# Altium PCB USB2.0拓展坞.PcbDoc
Units mil, origin at the board's own origin, x right, y up, seen from the top; angles counter-clockwise.
Board outline 2460 x 3425 mil, 2 copper layers (Top Layer, Bottom Layer); 37 components, 20 nets, 135 pads, 40 vias.
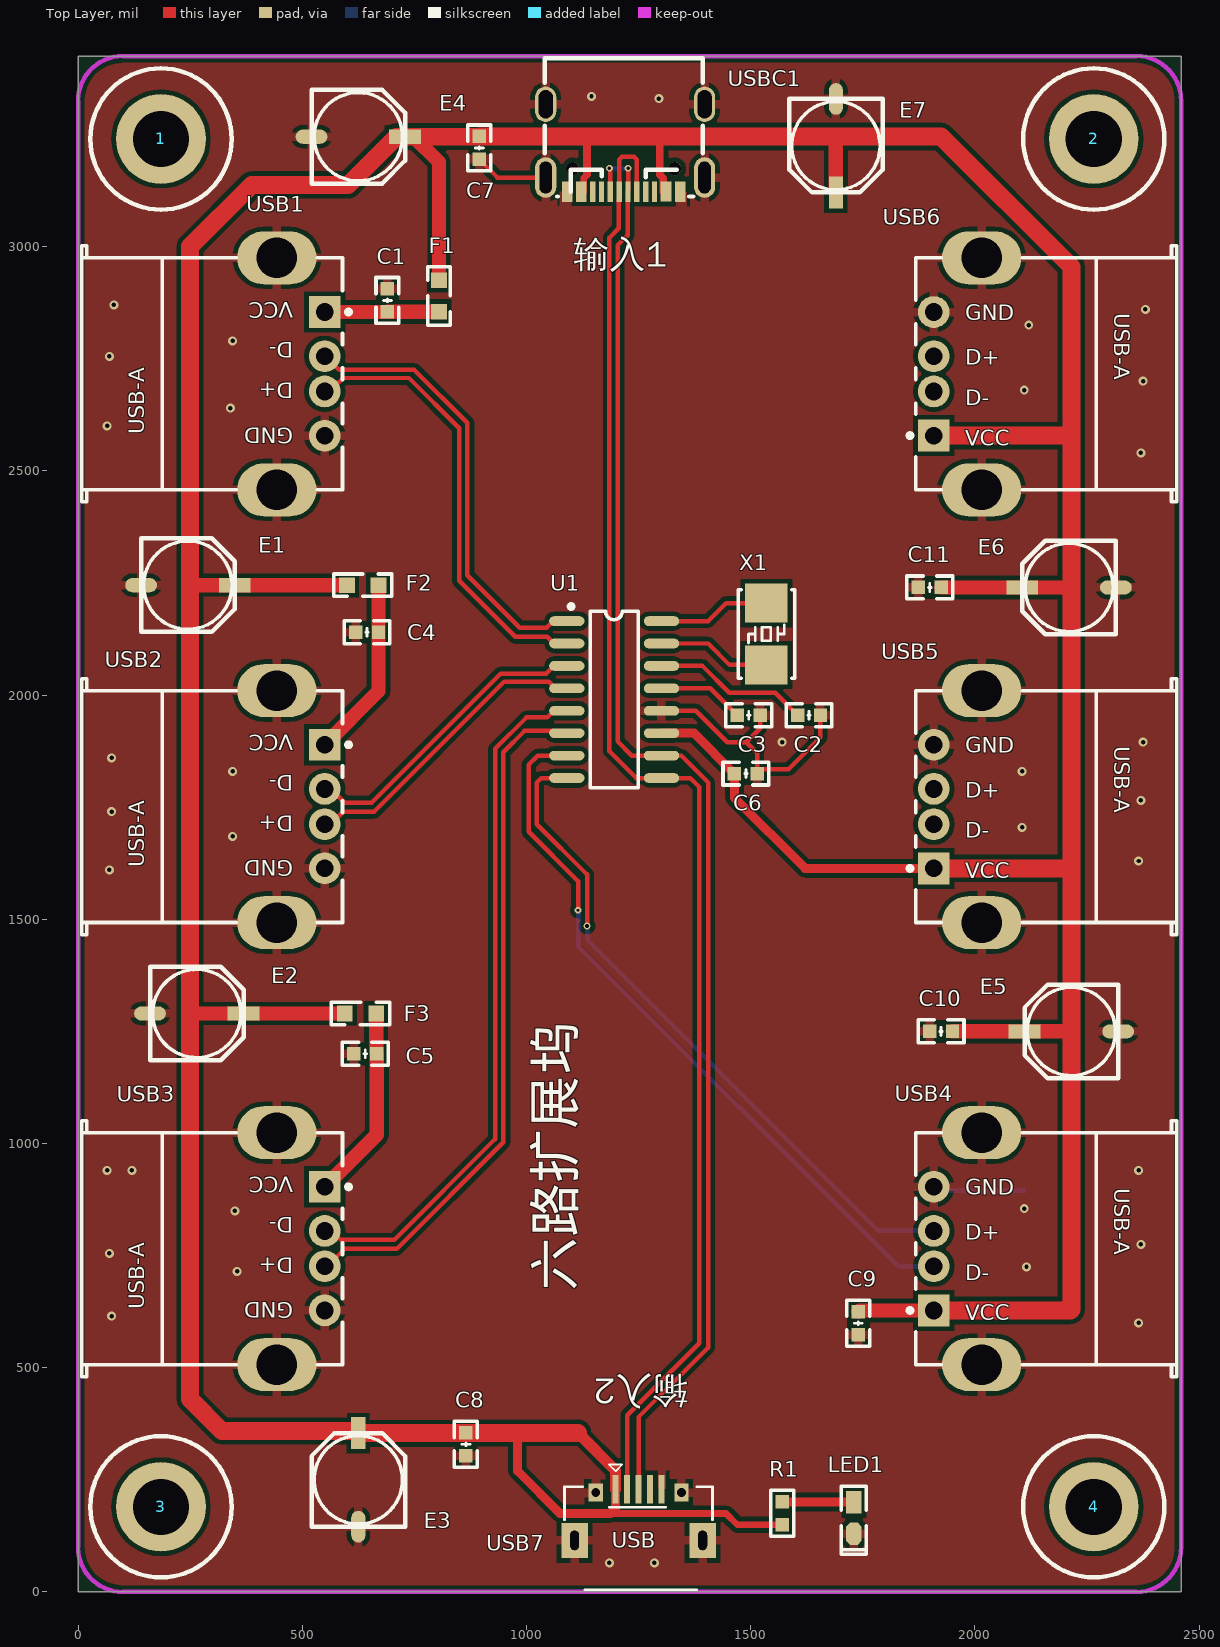
[diagram p0: Top Layer view]
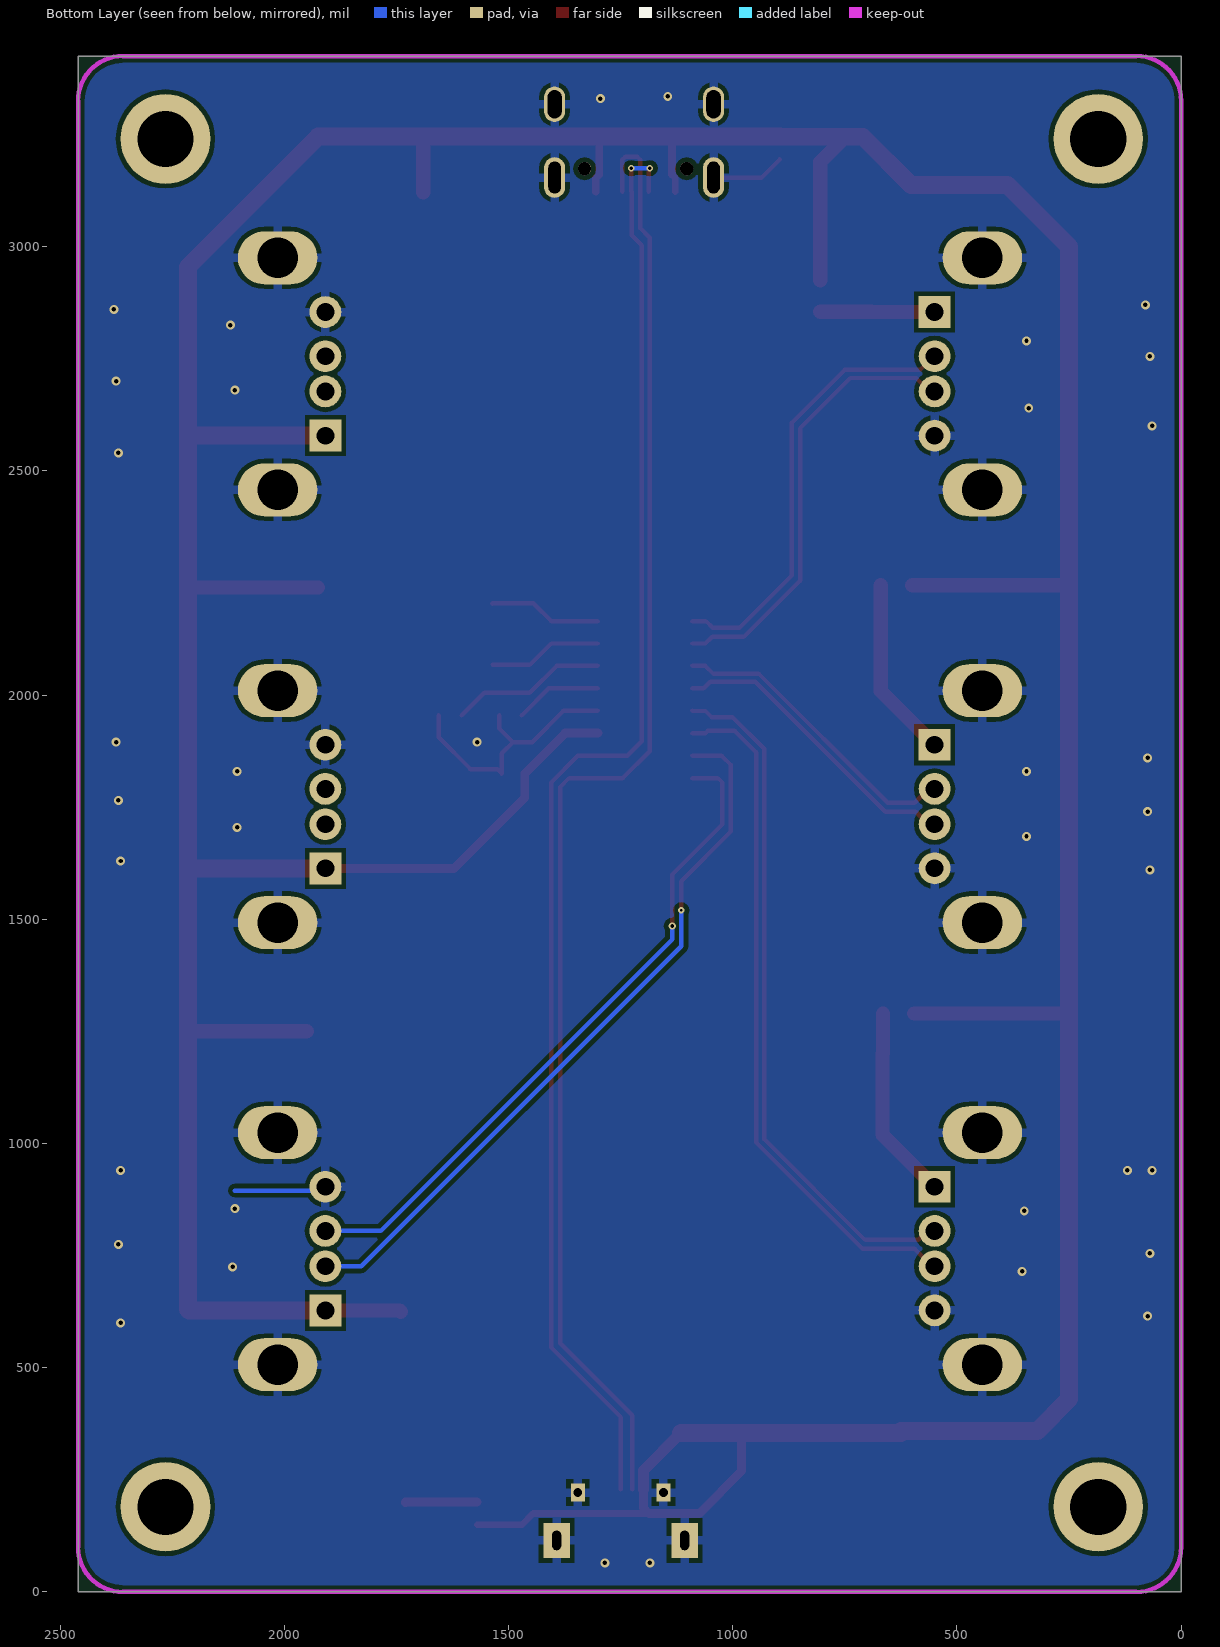
[diagram p1: Bottom Layer view, seen from below]
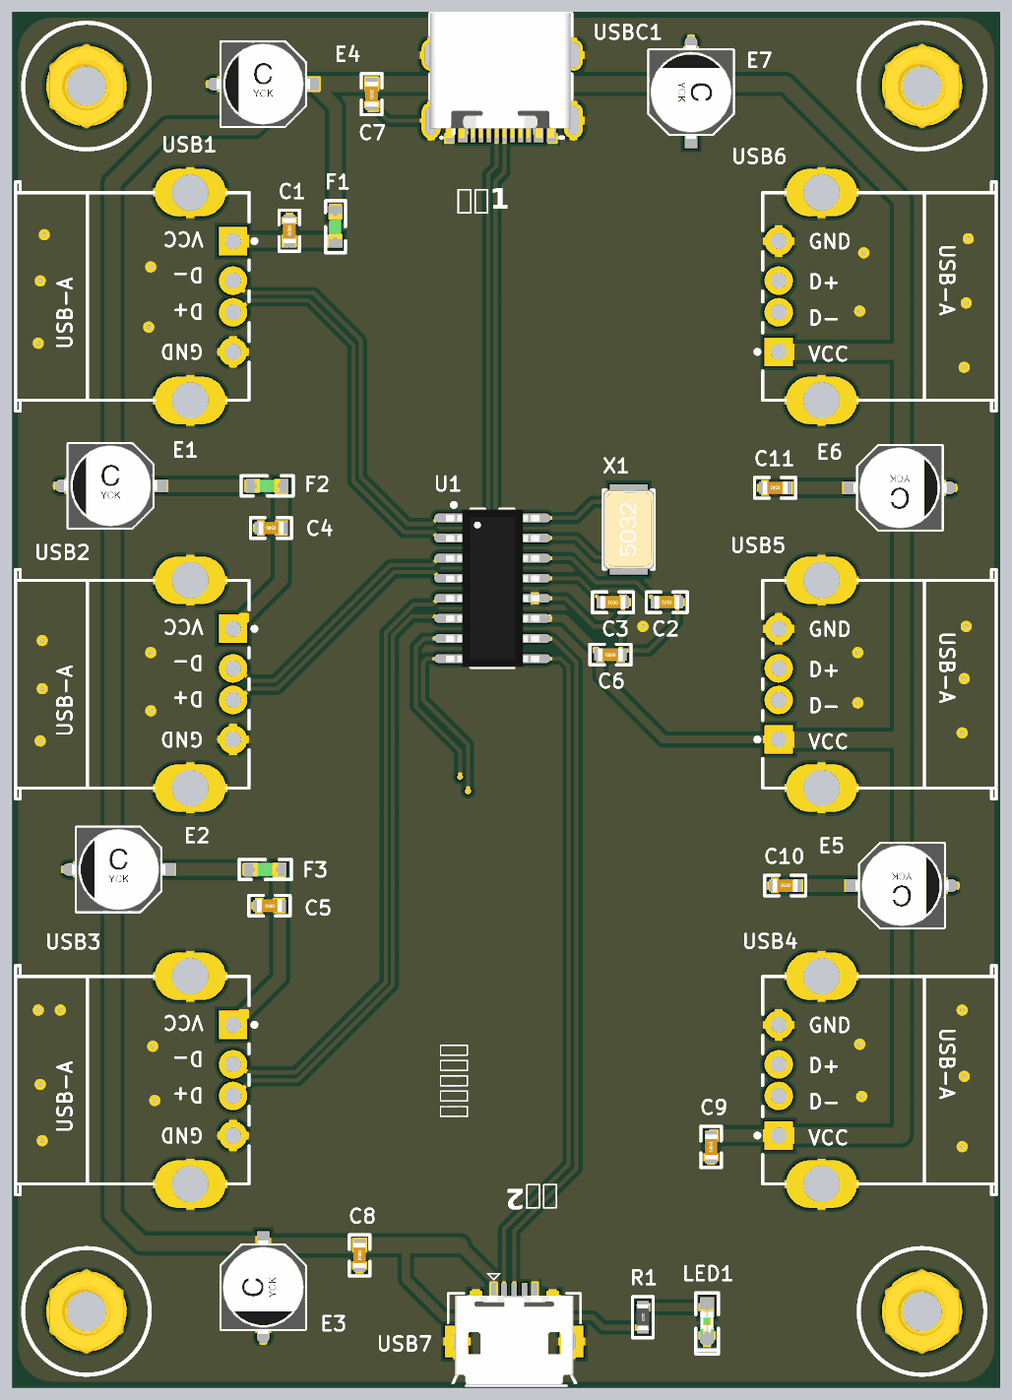
[diagram p2: 3D render of the assembled board from above, using the file's embedded part models]

## Layer stack, top to bottom
Top Solder: solder mask 0.4, Solder Resist, Dk 3.5
Top Layer: signal copper 1.4
Dielectric 1: dielectric 12.6, FR-4, Dk 4.8
Bottom Layer: signal copper 1.4
Bottom Solder: solder mask 0.4, Solder Resist, Dk 3.5

## Board outline
0,0 2460,0 2460,3425 0,3425

## Design rules (kind name [scope] priority, off if disabled: settings)
Clearance [All] p1: gap=10 ignorepadtopadclearanceinfootprint=TRUE except(0: Arc-Hole Track-Hole SMDPad-Hole THPad-Hole Via-Hole Fill-Hole Poly-Hole Region-Hole Text-Hole; 5: Arc-SMDPad Track-SMDPad; 7: Arc-Via Track-Via; 8: Arc-Arc Arc-Track Arc-THPad Track-Track Track-THPad)
PolygonConnect [All] p1: connectstyle=Relief reliefconductorwidth=20 reliefentries=4 polygonreliefangle="90 Angle" airgapwidth=10
RoutingVias [All] p1: holewidth=28 width=50 viastyle="Through Hole" minholewidth=28 minwidth=50 maxholewidth=28 maxwidth=50
SolderMaskExpansion [All] p1: expansion=4 istentingtop=FALSE
Width [All] p1: maxlimit=40 minlimit=10 preferedwidth=10 minimp=50.000000 maximp=50.000000 favimp=50.000000
30 further rules are at their usual default settings.

## Components (designator, comment, footprint, x,y, rotation, side; value= is the part's Value field where it differs from the comment)
1 "M3铜柱" M3x4_L 185,3240 r90 top
2 "M3铜柱" M3x4_L 2265,3240 r90 top
3 "M3铜柱" M3x4_L 185,190 r90 top
4 "M3铜柱" M3x4_L 2265,190 r90 top
C1 "104" "C 0603_L" 690,2880 r270 top
C2 "106" "C 0603_L" 1630,1955 r180 top
C3 "106" "C 0603_L" 1495.59,1955 r180 top
C4 "104" "C 0603_L" 644.41,2140 r0 top
C5 "104" "C 0603_L" 640.59,1200 r180 top
C6 "104" "C 0603_L" 1489.41,1825 r180 top
C7 "106" "C 0603_L" 895,3220 r270 top
C8 "106" "C 0603_L" 865,329.41 r270 top
C9 "104" "C 0603_L" 1740,599.41 r90 top
C10 "104" "C 0603_L" 1924.41,1250 r0 top
C11 "104" "C 0603_L" 1899.41,2240 r0 top
E1 "100uF/10V" "CM C(5*5.4)" 245,2245 r0 top
E2 "100uF/10V" "CM C(5*5.4)" 265,1290 r0 top
E3 "100uF/10V" "CM C(5*5.4)" 625,250 r90 top
E4 "100uF/10V" "CM C(5*5.4)" 625,3245 r0 top
E5 "100uF/10V" "CM C(5*5.4)" 2215,1250 r180 top
E6 "100uF/10V" "CM C(5*5.4)" 2210,2240 r180 top
E7 "100uF/10V" "CM C(5*5.4)" 1690,3225 r270 top
F1 "MSMD200-6V 0.5A" "FU 0603" 805,2890 r90 top
F2 "MSMD200-6V 0.5A" "FU 0603" 635,2245 r180 top
F3 "MSMD200-6V 0.5A" "FU 0603" 630,1290 r180 top
LED1 "红色" "LED 0603R" 1729.74,165 r270 top
R1 "1K" "R 0603_L" 1570,175.59 r270 top
U1 "SL2.1A" SOP16 1195,1990 r0 top
USB1 "USB" USB-A/S_A 550,2716.34 r180 top
USB2 "USB" USB-A/S_A 550,1751.34 r180 top
USB3 "USB" USB-A/S_A 550,765.63 r180 top
USB4 "USB" USB-A/S_A 1908.31,765.63 r0 top
USB5 "USB" USB-A/S_A 1908.31,1751.34 r0 top
USB6 "USB" USB-A/S_A 1908.31,2716.34 r0 top
USB7 "USB-5P" USB-MICRO_A 1250,115 r0 top
USBC1 "TYPE-C 2.0 -16P" USB-C-SMD_TYPE-C-USB-5 1220,3220 r180 top
X1 "12MHz" "OSC 5032-2P" 1535,2136.1 r90 top

## Footprints (in the part's own frame and the unit in brackets; to place one, negate y for a bottom-side part, rotate by r counter-clockwise, add the part's x,y. Pads: shape width x height; smd on the part's side, far side on the other; paste and mask are expansions set on the pad)
"C 0603_L" [mil] "无极性贴片电容                                       淘宝ID:黄晶宝石"
  rect 30x30 smd: 1(-25.59,0) 2(25.59,0)
  silkscreen extent -51,-26 51,26, body extent -31,-16 31,16, height 32
"CM C(5*5.4)" [mm] "贴片电解电容，直径5mm，高5.4mm            淘宝ID:黄晶宝石"
  rect 1.8x0.8 smd: 1(2.65,0)
  oval 1.8x0.8 smd: 2(-2.65,0)
  silkscreen extent -2.65,-2.65 2.65,2.65, body extent -2.95,-2.65 2.95,2.65, height 5.4
"FU 0603" [mil] "贴片保险丝"
  rect 35x35 smd: 1(-35,0) 2(35,0)
  silkscreen extent -65,-25 65,25, body extent -31,-16 31,16, height 20
"LED 0603R" [mil] "红色0603LED                                           淘宝ID:黄晶宝石"
  rect 50x35 smd: 1(-35,0.26)
  oct 50x35 smd: 2(35,0.26)
  silkscreen extent -71,-28 81,28, body extent -31,-16 31,16, height 18
M3x4_L [mil] "M3铜柱，长：4mm"
  round 200 hole 125: 1(0,0)
  silkscreen extent -157,-157 157,157, body extent -106,-93 106,93, height 159
"OSC 5032-2P" [mm] "5mm*3.2mm*0.8mm(长*宽*高)                  淘宝ID:黄晶宝石"
  rect 2.2x2.4 smd: 1(-1.75,0) 2(1.75,0)
  silkscreen extent -2.5,-1.6 2.5,1.6, body extent -2.5,-1.6 2.5,1.6, height 0.86
"R 0603_L" [mil] "1/10W贴片电阻                 淘宝ID:黄晶宝石"
  rect 30x30 smd: 1(-25.59,0) 2(25.59,0)
  silkscreen extent -51,-26 51,26, body extent -31,-16 32,16, height 16
SOP16 [mm] "封装库来自淘宝卖家 ID：黄晶宝石"
  oval 2x0.55 smd: 1(-2.667,4.445) 2(-2.667,3.175) 3(-2.667,1.905) 4(-2.667,0.635) 5(-2.667,-0.635) 6(-2.667,-1.905) 7(-2.667,-3.175) 8(-2.667,-4.445) 9(2.692,-4.445) 10(2.692,-3.175) 11(2.692,-1.905) 12(2.692,-0.635) 13(2.692,0.635) 14(2.692,1.905) 15(2.692,3.175) 16(2.692,4.445)
  silkscreen extent -2.55,-5 1.37,5.39, body extent -2.92,-4.99 2.98,4.99, height 1.45
USB-A/S_A [mm] "A型直插母头， 淘宝ID:黄晶宝石   店铺网址:https://shop463601444.taobao.com"
  rect 1.8x1.8 hole 1: 1(0,-3.5)
  round 1.8 hole 1: 2(0,-1) 3(0,1) 4(0,3.5)
  oval 4.5x3 hole 2.3: 4(2.71,6.57) 4(2.71,-6.57)
  silkscreen extent -1.48,-7.25 13.75,7.25, body extent -0.6,-7.34 13.7,7.34, height 6.8
USB-C-SMD_TYPE-C-USB-5 [mm]
  oval 1.2x2 hole 0.8 slot 1.6 at 90 deg: 0(-4.5,-2.475) 0(4.5,-2.475)
  oval 1.2x2.3 hole 0.7 slot 1.8 at 90 deg: 0(-4.5,1.675) 0(4.5,1.675)
  rect 0.3x1.15 smd: A1(-3.263,2.473) A4(-2.462,2.471) A5(-1.162,2.475) A6(-0.162,2.475) A7(0.337,2.473) A9(2.638,2.475) A12(3.438,2.475) B1(3.138,2.475) B4(2.337,2.475) B5(1.838,2.475) B6(0.838,2.475) B7(-0.663,2.473) B9(-2.162,2.471) B12(-2.963,2.473)
  rect 0.3x1.148 smd: A8(-1.663,2.475) B8(1.337,2.475)
  round 0.75 hole 0.75 unplated: ""(-2.803,1.175) ""(2.978,1.175)
  silkscreen extent -4.38,-5.08 4.56,2.75, body extent -4.34,-5.14 4.6,2.76, height 3.25
USB-MICRO_A [mm] "micro型USB ，5.7*7.8*2.5mm"
  rect 0.35x1.6 smd: 1(-1.3,2.9) 2(-0.65,2.9) 3(0,2.9) 4(0.65,2.9) 5(1.3,2.9)
  rect 1.5x2 hole 0.5 slot 1.1 at 90 deg: 5(-3.625,0) 5(3.625,0)
  rect 0.8x1 hole 0.5: 5(-2.425,2.71) 5(2.425,2.71)
  silkscreen extent -4.19,-2.79 4.19,4.3, body extent -4,-2.71 4,2.89, height 2.8

## Part data
1 2 3 4: library part 铜柱小焊盘, "铜柱", BOM名称=铜柱, 封装库来自淘宝卖家 ID：黄晶宝石=其他店铺购入均为盗版，不享受售后技术支持服务，请立即申请退款, 技术支持，联系售后=https://shop463601444.taobao.com, 版权归属="封装库来自淘宝 ID：黄晶宝石"
C1 C2 C3 C4 C5 C6 C7 C8 C9 C10 C11: library part C, "贴片电容", BOM名称=无极性贴片电容, 唯一出售店铺网址=https://shop463601444.taobao.com, 淘宝ID="封装库来自淘宝 ID：黄晶宝石", 联系售后，技术支持=https://shop463601444.taobao.com
E1 E2 E3 E4 E5 E6 E7: library part CE_SMD, "贴片电解电容", BOM名称=贴片电解电容, 版权归属="封装库来自淘宝 ID：黄晶宝石", 联系售后=https://shop463601444.taobao.com
F1 F2 F3: library part FU, "贴片保险丝", BOM名称=贴片保险丝, 学习资源=https://shop463601444.taobao.com, 版权归属="封装库来自淘宝卖家 ID：黄晶宝石"
LED1: library part LED-SMD, "贴片LED", BOM名称=贴片LED, 学习资源=https://shop463601444.taobao.com, 版权归属="封装库来自淘宝 ID：黄晶宝石"
R1: library part R, "贴片电阻", BOM名称=贴片电阻, 封装库来自淘宝卖家 ID：黄晶宝石=其他店铺购入均为盗版，不享受售后技术支持服务，请立即申请退款, 版权归属="来自淘宝 ID：黄晶宝石", 联系售后=https://shop463601444.taobao.com
USB1 USB2 USB3 USB4 USB5 USB6: library part USB-A/S, "USB-A型母接口", BOM名称=USB-A型母接口, 学习资源=https://shop463601444.taobao.com, 版权归属="封装库来自淘宝 ID：黄晶宝石"
USB7: "微型USB母座", BOM名称=微型USB母座, 学习资源=https://shop463601444.taobao.com
USBC1: library part "USB2.0 Type-C 16Pin母座", "USB2.0 Type-C 母座 16Pin", BOM_Manufacturer=LCSC, BOM_Manufacturer Part=-, BOM_Supplier=LCSC, spicePre=U, spiceSymbolName="TYPE-C 3.1 -16P_C168689"
X1: library part XTAL-2P, "2脚无源脚晶振", BOM名称=2脚无源脚晶振, 学习资源=https://shop463601444.taobao.com, 版权归属="封装库来自淘宝卖家 ID：黄晶宝石"

## Via types
v1: diameter 20, hole 10, Top Layer to Bottom Layer, 36 vias
v2: diameter 15, hole 8, Top Layer to Bottom Layer, 2 vias
v3: diameter 16, hole 8, Top Layer to Bottom Layer, 1 vias
v4: diameter 15, hole 6, Top Layer to Bottom Layer, 1 vias

## Nets (pads, with @x,y where several pads share a name; then routed paths per layer and width w, separated by ;. In a path a pad name is that pad's centre, name@x,y a point inside that pad or via, vN(x,y) a via of type N, cw(c..) or ccw(c..) an arc to the next point about the centre after c; other vN are vias at no path point)
DM: U1.9 USB7.2 USBC1.A7 USBC1.B7 | length 3309.2
  Top Layer w10: USB7.2 1224.41,394.41 1385,555 1385,1795 1365,1815 1245,1815 1185,1875 1185,3020 1205.81,3040.81 1205.81,3104.99 1206.72,3105.89 1206.72,3194.14 1212.57,3200 1240,3200 1246.09,3193.91 USBC1.B7
DM1: U1.7 USB4.2 | length 1632.8
  Top Layer w10: U1.7 1025,1865 1005,1845 1005,1695 1115,1585 v4(1115,1520)
  Bottom Layer w10: v4(1115,1520) 1115,1440 1828.74,726.26 USB4.2
DM2: U1.5 USB3.2 | length 1546.7
  Top Layer w10: USB3.2 566.29,805 586.29,785 705,785 930,1010 930,1880 1000,1950 1046.46,1950 1060.92,1964.46 1089.46,1964.46 U1.5
DM3: U1.3 USB2.2 | length 679.1
  Top Layer w10: USB2.2 563.76,1790.71 594.47,1760 654.54,1760 942.54,2048 1044.01,2048 1061.01,2065 U1.3
DM4: U1.1 USB1.2 | length 996.3
  Top Layer w10: USB1.2 551.62,2755.71 582.33,2725 750,2725 868,2607 868,2267 985,2150 1044.77,2150 1059.77,2165 U1.1
DP: U1.10 USB7.3 USBC1.A6 USBC1.B6 | length 3263.5
  Top Layer w10: v2(1185,3175) 1185,3173.65 1187.02,3171.62 USBC1.B6 ; v2(1226.59,3175) 1226.49,3174.9 1226.49,3124.47 1225.49,3123.47 USBC1.A6 1225.49,3121.65 1225.49,3025.49 1203,3003 1203,1897 1235,1865 U1.10 1301.53,1864.47 1345.53,1864.47 1405,1805 1405,545 1250,390 USB7.3
  Bottom Layer w10: v2(1185,3175) v2(1226.59,3175)
DP1: U1.8 USB4.3 | length 1510.1
  Top Layer w10: U1.8 1033,1815 1023,1805 1023,1712 1135,1600 v3(1135,1485)
  Bottom Layer w10: v3(1135,1485) 1135,1455 1785,805 USB4.3
DP2: U1.6 USB3.3 | length 1546.2
  Top Layer w10: USB3.3 555.56,726.26 594.3,765 710.46,765 948,1002.54 948,1872.54 995.46,1920 1056.01,1920 1061.01,1915 U1.6
DP3: U1.4 USB2.3 | length 678
  Top Layer w10: USB2.3 563.76,1711.97 591.8,1740 660,1740 950,2030 1049.77,2030 1055.63,2024.14 1055.63,2023.98 1064.61,2015 U1.4
DP4: U1.2 USB1.3 | length 996.8
  Top Layer w10: USB1.3 561.26,2676.97 591.29,2707 738,2707 850,2595 850,2255 975,2130 1046.01,2130 1061.01,2115 U1.2
GND: C1.1 C2.1 C3.1 C4.1 C5.2 C6.1 C7.2 C8.2 C9.1 C10.1 C11.1 E1.2 E2.2 E3.2 E4.2 E5.2 E6.2 E7.2 LED1.2 U1.12 USB1.4 USB2.4 USB3.4 USB4.4 USB5.4 USB6.4 USB7.5 USBC1.0 USBC1.A1 USBC1.A12 USBC1.B1 USBC1.B12 | length 964.4
  Top Layer w10: C7.2 935.35,3154.06 USBC1.0@1042.83,3154.06 ; U1.12 1377.46,1965 1447.46,1895 1490,1895 ; C3.1 1521.18,1926.18 1490,1895 ; C2.1 1655.59,1905.59 1585,1835 1525,1835 C6.1 1515,1870 1490,1895
  Bottom Layer w10: USB4.4@1908.31,903.43 1916.73,895 2110,895
  other v1: 1185,65 1285,65 2365,600 75,615 355,715 2115,725 70,755 2370,775 350,850 2110,855 65,940 120,940 2365,940 70,1610 2365,1630 345,1685 2105,1705 75,1740 2370,1765 345,1830 2105,1830 75,1860 1570,1895 2375,1895 2370,2540 65,2600 340,2640 2110,2680 2375,2700 70,2755 345,2790 2120,2825 2380,2860 80,2870 1295,3330 1145,3335
NetC1_2: C1.2 F1.1 USB1.1 | length 255.6
  Top Layer w25: USB1.1 USB1.1@550.14,2854.27
  Top Layer w32: USB1.1 689.72,2854.13 C1.2 804.41,2854.41 F1.1
NetC4_2: C4.2 F2.1 USB2.1 | length 405.6
  Top Layer w32: USB2.1 670,2009.13 C4.2 F2.1
NetC5_1: C5.1 F3.1 USB3.1 | length 435.2
  Top Layer w32: USB3.1 666.18,1019.61 C5.1 665,1201.18 F3.1
NetLED1_1: LED1.1 R1.1 | length 160.5
  Top Layer w20: R1.1 1570.59,200.59 1729.41,200.59 LED1.1
VDD5: C6.2 C7.1 C8.1 C9.2 C10.2 C11.2 E1.1 E2.1 E3.1 E4.1 E5.1 E6.1 E7.1 F1.2 F2.2 F3.2 R1.2 U1.11 USB4.1 USB5.1 USB6.1 USB7.1 USBC1.A4 USBC1.A9 USBC1.B4 USBC1.B9 | length 12739.2
  Top Layer w15: USBC1.B4 1127.97,3153.31 1135.04,3160.38 ; 1187.1,175 1445,175 1470,150 R1.2
  Top Layer w17: 1297.57,3243.16 1297.57,3160.17 1305.14,3152.6 USBC1.B9
  Top Layer w18: 1135.04,3160.38 1135.04,3240.63
  Top Layer w20: 980,355 980,270 1075,175 1187.1,175 1198.82,186.72 USB7.1 ; U1.11 1373.82,1915 C6.2 1463.82,1771.18 1621.46,1613.54 USB5.1
  Top Layer w25: 1115,355 1198.82,271.18 USB7.1
  Top Layer w32: 250,1290 E2.1 F3.2 ; 250,2245 E1.1 F2.2 ; E4.1@748.51,3245 805,3188.51 F1.2 ; C8.1@864.33,354.33 C8.1 ; C7.1@894.4,3245 C7.1 ; E7.1 1690,3245.59 ; C9.2 1742.83,627.83 USB4.1 ; C11.2 E6.1 2215,2240 ; C10.2 E5.1 2215,1250
  Top Layer w40: E3.1 C8.1@864.33,354.33 ; E3.1@625,359.33 320.67,359.33 250,430 250,1290 250,2245 250,3000 387.37,3137.37 602.52,3137.37 710.15,3245 E4.1 748.51,3245 C7.1@894.4,3245 ; C8.1 980,355 1115,355 ; C7.1 1690,3245.59 1924.41,3245.59 2215,2955 2215,2580 ; USB4.1 2212.83,627.83 2215,630 2215,1250 2215,1615 ; USB5.1 2213.54,1613.54 2215,1615 ; USB6.1 2213.54,2578.54 2215,2580 ; 2215,1615 2215,2240 2215,2580
VDD18: C2.2 U1.14 | length 349
  Top Layer w10: U1.14 1392.46,2065 1452.46,2005 1554.42,2005 C2.2
VDD33: C3.2 U1.13 | length 193.9
  Top Layer w10: U1.13 1410,2015 C3.2
XIN: U1.16 X1.2 | length 252.1
  Top Layer w10: U1.16 1405,2165 1445,2205 X1.2 X1.2@1536.1,2203.9
XOUT: U1.15 X1.1 | length 253.8
  Top Layer w10: U1.15 1405,2115 1452.8,2067.2 X1.1
pads on no net: 1.1 2.1 3.1 4.1 USB5.2 USB5.3 USB6.2 USB6.3 USB7.4 USBC1. USBC1.A5 USBC1.A8 USBC1.B5 USBC1.B8

## Polygon pours and split planes (outlines as drawn)
GND on Bottom Layer "GND_L02_P001" (solid, pour order 1): 0,3425 0,0 2460,0 2460,3425
GND on Top Layer "GND_L01_P002" (solid, pour order 2): -5,3425 0,3420 0,0 2460,0 2460,3425

## Keep-outs
Keep-Out Layer:
  lines w10: 0,100 ccw(c100,100) 100,0 2360,0 ccw(c2360,100) 2460,100 2460,3325 ccw(c2360,3325) 2360,3425 100,3425 ccw(c100,3325) 0,3325 0,100

## Silkscreen, mask and mechanical layers (free items; w line width, h text height)
Top Overlay:
  text "输入1" at 1105,2934.99 h100
  text "六路扩展坞" at 1134.73,670.14 h150 r90
  text "输入2" at 1360,495.01 h100 r180

## Text inside footprints (layer, text, board x,y; h text height)
USB1: Top Overlay "USB-A" at 148.03,2581.3 h35 r90; Top Overlay "VCC" at 480,2876.34 h35 r180; Top Overlay "D-" at 480,2786.34 h35 r180; Top Overlay "D+" at 480,2696.34 h35 r180; Top Overlay "GND" at 480,2596.34 h35 r180
USB2: Top Overlay "USB-A" at 148.03,1616.3 h35 r90; Top Overlay "VCC" at 480,1911.34 h35 r180; Top Overlay "D-" at 480,1821.34 h35 r180; Top Overlay "D+" at 480,1731.34 h35 r180; Top Overlay "GND" at 480,1631.34 h35 r180
USB3: Top Overlay "USB-A" at 148.03,630.59 h35 r90; Top Overlay "VCC" at 480,925.63 h35 r180; Top Overlay "D-" at 480,835.63 h35 r180; Top Overlay "D+" at 480,745.63 h35 r180; Top Overlay "GND" at 480,645.63 h35 r180
USB4: Top Overlay "USB-A" at 2310.28,900.67 h35 r270; Top Overlay "VCC" at 1978.31,605.63 h35; Top Overlay "D-" at 1978.31,695.63 h35; Top Overlay "D+" at 1978.31,785.63 h35; Top Overlay "GND" at 1978.31,885.63 h35
USB5: Top Overlay "USB-A" at 2310.28,1886.38 h35 r270; Top Overlay "VCC" at 1978.31,1591.34 h35; Top Overlay "D-" at 1978.31,1681.34 h35; Top Overlay "D+" at 1978.31,1771.34 h35; Top Overlay "GND" at 1978.31,1871.34 h35
USB6: Top Overlay "USB-A" at 2310.28,2851.38 h35 r270; Top Overlay "VCC" at 1978.31,2556.34 h35; Top Overlay "D-" at 1978.31,2646.34 h35; Top Overlay "D+" at 1978.31,2736.34 h35; Top Overlay "GND" at 1978.31,2836.34 h35
USB7: Top Overlay "USB" at 1190,99.17 h35